# Altium PCB CHAHARDOLI-7 ADAD METAL.PcbDoc (part 6 of 11)
Units mm, origin at the board's own origin, x right, y up, seen from the top; angles counter-clockwise.
Board outline 151 x 86.38 mm, 2 copper layers (Top Layer, Bottom Layer); 1496 components, 81 nets, 3725 pads, 848 vias.
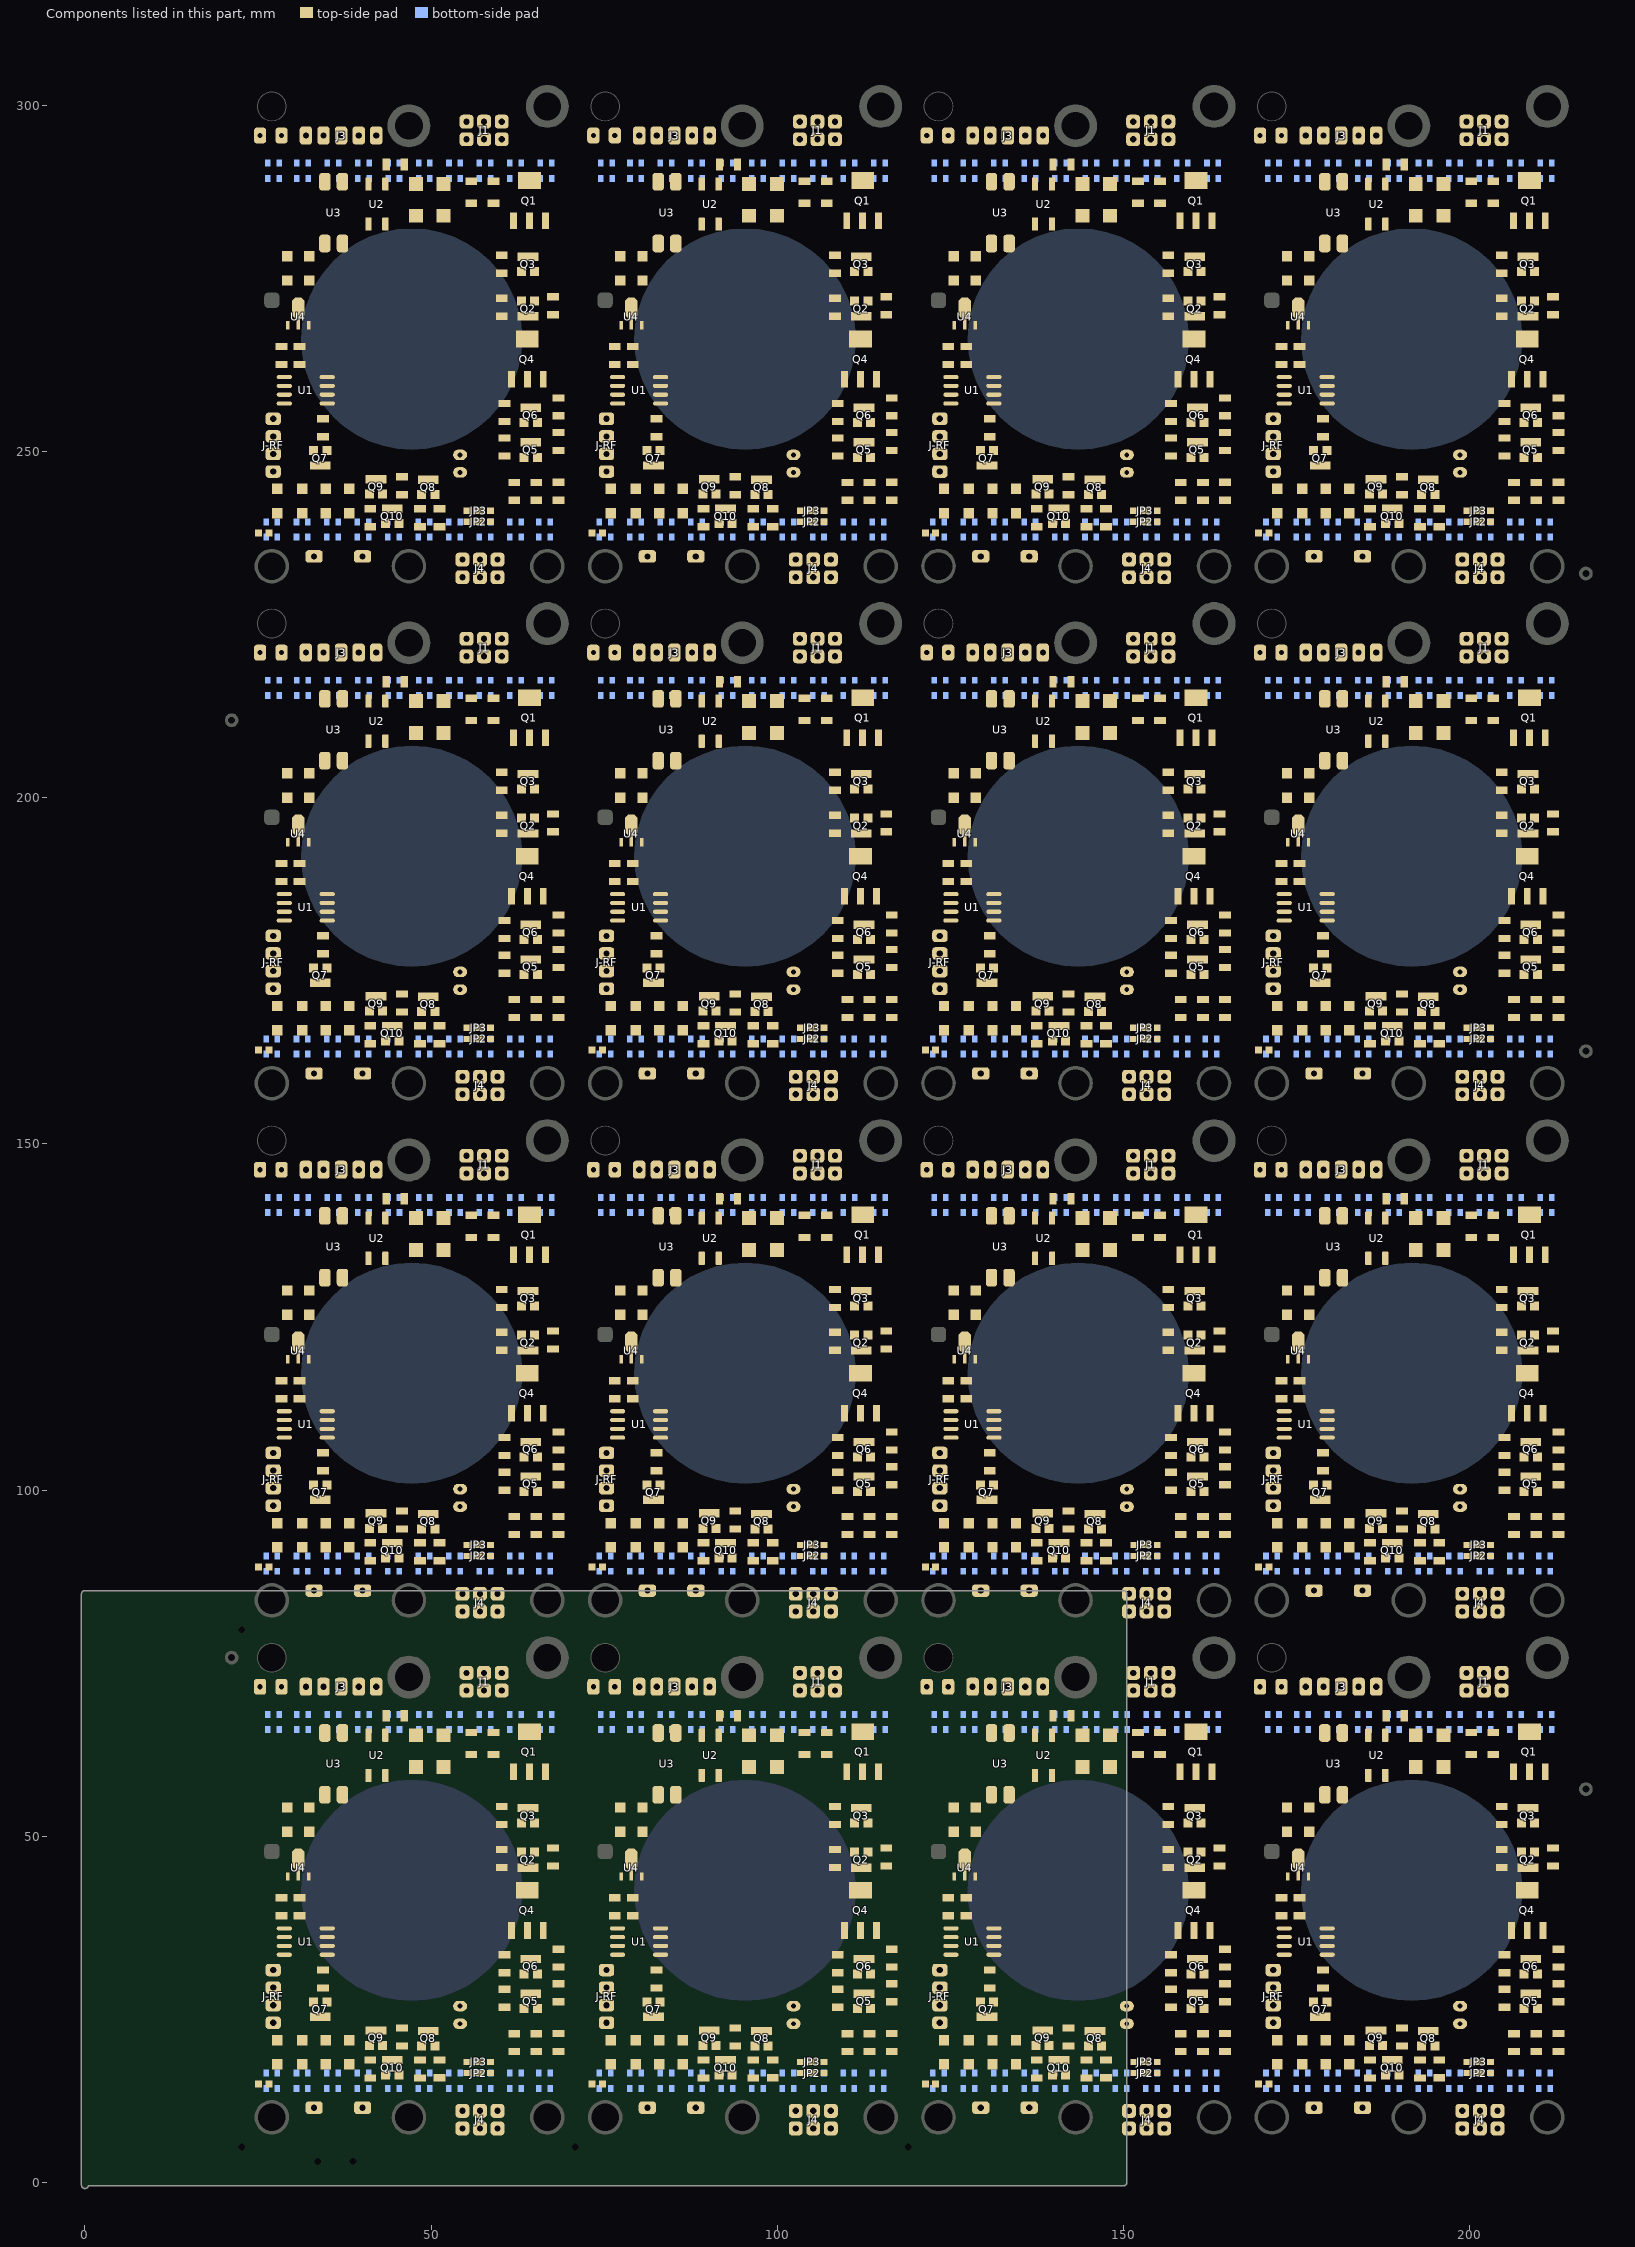
[diagram p6: the components of this part, seen from the top]

## Via types
v1: diameter 1.2, hole 0.6, Top Layer to Bottom Layer, tented both sides, 464 vias
v2: diameter 0.9, hole 0.6, Top Layer to Bottom Layer, tented both sides, 128 vias
v3: diameter 1, hole 0.6, Top Layer to Bottom Layer, tented both sides, 128 vias
v4: diameter 1.27, hole 0.6, Top Layer to Bottom Layer, tented both sides, 112 vias
v5: diameter 1.27, hole 0.711, Top Layer to Bottom Layer, tented both sides, 16 vias

## Nets (pads, with @x,y where several pads share a name; then routed paths per layer and width w, separated by ;. In a path a pad name is that pad's centre, name@x,y a point inside that pad or via, vN(x,y) a via of type N, cw(c..) or ccw(c..) an arc to the next point about the centre after c; other vN are vias at no path point) (continued)
copper on no net: (continued)
  Top Layer w0.5: 23.6,51.2 25.6,53.2 25.6,56.6 25.893,56.893 26.307,56.893 26.6,56.6 26.6,55.4 26.6,52.4 25,50.8 25,42.2 25.293,41.907 25.707,41.907 27,43.2 27,47.8 ; 23.6,125.888 25.6,127.888 25.6,131.288 25.893,131.581 26.307,131.581 26.6,131.288 26.6,130.088 26.6,127.088 25,125.488 25,116.888 25.293,116.595 25.707,116.595 27,117.888 27,122.488 ; 23.6,200.576 25.6,202.576 25.6,205.976 25.893,206.269 26.307,206.269 26.6,205.976 26.6,204.776 26.6,201.776 25,200.176 25,191.576 25.293,191.283 25.707,191.283 27,192.576 27,197.176 ; 23.6,275.264 25.6,277.264 25.6,280.664 25.893,280.957 26.307,280.957 26.6,280.664 26.6,279.464 26.6,276.464 25,274.864 25,266.264 25.293,265.971 25.707,265.971 27,267.264 27,271.864 ; 27,88.688 27.4,88.288 31.2,88.288 32.2,87.288 32.2,86.431 32.223,86.408 32.223,86.123 32.858,85.488 33.1,85.488 ; 27,163.376 27.4,162.976 31.2,162.976 32.2,161.976 32.2,161.119 32.223,161.096 32.223,160.811 32.858,160.176 33.1,160.176 ; 27,238.064 27.4,237.664 31.2,237.664 32.2,236.664 32.2,235.807 32.223,235.784 32.223,235.499 32.858,234.864 33.1,234.864 ; 27.2,102.768 30.08,102.768 30.8,103.488 30.8,111.081 30.507,111.374 28.827,111.374 ; 27.2,177.456 30.08,177.456 30.8,178.176 30.8,185.769 30.507,186.062 28.827,186.062 ; 27.2,252.144 30.08,252.144 30.8,252.864 30.8,260.457 30.507,260.75 28.827,260.75 ; 27.8,95.238 28.3,94.738 28.3,93.988 30.195,92.093 31.045,92.093 31.4,91.738 ; 27.8,169.926 28.3,169.426 28.3,168.676 30.195,166.782 31.045,166.782 31.4,166.426 ; 27.8,244.614 28.3,244.114 28.3,243.364 30.195,241.47 31.045,241.47 31.4,241.114 ; 28.275,91.613 28.2,91.688 26.493,91.688 26.2,91.981 26.2,96.84 27.377,98.017 28.929,98.017 31.7,100.788 ; 28.275,166.301 28.2,166.376 26.493,166.376 26.2,166.669 26.2,171.528 27.377,172.705 28.929,172.705 31.7,175.476 ; 28.275,240.989 28.2,241.064 26.493,241.064 26.2,241.357 26.2,246.216 27.377,247.393 28.928,247.393 31.7,250.164 ; 28.4,91.738 29.85,90.288 34.104,90.288 34.396,90.581 34.396,91.465 34.8,91.869 ; 28.4,166.426 29.85,164.976 34.104,164.976 34.396,165.269 34.396,166.154 34.8,166.557 ; 28.4,241.114 29.85,239.664 34.104,239.664 34.396,239.957 34.396,240.842 34.8,241.245 ; 28.946,112.997 28.725,113.218 28.4,113.218 28.125,112.943 27.055,112.943 26.4,112.288 26.4,109.146 26.693,108.853 29.365,108.853 ; 28.946,187.685 28.725,187.906 28.4,187.906 28.125,187.631 27.055,187.631 26.4,186.976 26.4,183.834 26.693,183.541 29.365,183.541 ; 28.946,262.373 28.725,262.594 28.4,262.594 28.125,262.319 27.055,262.319 26.4,261.664 26.4,258.522 26.693,258.229 29.365,258.229 ; 29,113.051 31,113.051 ; 29,187.739 31,187.739 ; 29,262.427 31,262.427 ; 29.2,128.838 29.7,128.338 29.7,127.988 31.9,125.788 31.9,125.838 32.4,125.338 ; 29.2,203.526 29.7,203.026 29.7,202.676 31.9,200.476 31.9,200.526 32.4,200.026 ; 29.2,278.214 29.7,277.714 29.7,277.364 31.9,275.164 31.9,275.214 32.4,274.714 ; 30.6,121.388 30.6,117.581 30.893,117.288 32.507,117.288 32.8,116.995 32.8,113.218 31.7,113.218 ; 30.6,196.076 30.6,192.269 30.893,191.976 32.507,191.976 32.8,191.683 32.8,187.906 31.7,187.906 ; 30.6,270.764 30.6,266.957 30.893,266.664 32.507,266.664 32.8,266.371 32.8,262.594 31.7,262.594 ; 30.8,121.388 v1(30.8,123.488) ; 30.8,196.076 v1(30.8,198.176) ; 30.8,270.764 v1(30.8,272.864) ; 31,113.218 31.7,113.218 ; 31,187.906 31.7,187.906 ; 31,262.594 31.7,262.594 ; 31.4,95.238 31.9,95.738 31.9,95.938 33.05,97.088 36.307,97.088 36.6,97.381 36.6,99.395 36.893,99.688 46,99.688 47.4,98.288 47.4,94.488 ; 31.4,169.926 31.9,170.426 31.9,170.626 33.05,171.776 36.307,171.776 36.6,172.069 36.6,174.083 36.893,174.376 46,174.376 47.4,172.976 47.4,169.176 ; 31.4,244.614 31.9,245.114 31.9,245.314 33.05,246.464 36.307,246.464 36.6,246.757 36.6,248.771 36.893,249.064 46,249.064 47.4,247.664 47.4,243.864 ; 32.2,135.088 35.8,135.088 37.2,136.488 37.2,139.608 ; 32.2,209.776 35.8,209.776 37.2,211.176 37.2,214.296 ; 32.2,284.464 35.8,284.464 37.2,285.864 37.2,288.984 ; 32.3,118.888 32.3,119.238 32.496,119.435 32.496,124.842 32.4,124.938 ; 32.3,193.576 32.3,193.926 32.496,194.123 32.496,199.53 32.4,199.626 ; 32.3,268.264 32.3,268.614 32.496,268.811 32.496,274.218 32.4,274.314 ; 33.05,100.763 31.7,100.763 31.7,113.218 ; 33.05,175.451 31.7,175.451 31.7,187.906 ; 33.05,250.139 31.7,250.139 31.7,262.594 ; 34,98.488 31.6,98.488 29.6,96.488 29.6,94.088 30.2,93.488 35.8,93.488 36.4,92.888 36.4,89.888 39.4,86.888 39.4,86.123 40.035,85.488 40.1,85.488 ; 34,173.176 31.6,173.176 29.6,171.176 29.6,168.776 30.2,168.176 35.8,168.176 36.4,167.576 36.4,164.576 39.4,161.576 39.4,160.811 40.035,160.176 40.1,160.176 ; 34,247.864 31.6,247.864 29.6,245.864 29.6,243.464 30.2,242.864 35.8,242.864 36.4,242.264 36.4,239.264 39.4,236.264 39.4,235.499 40.035,234.864 40.1,234.864 ; 34.4,102.788 34.675,102.788 34.95,102.513 34.95,100.763 ; 34.4,105.384 34.4,107.537 34.446,107.583 35,107.583 ; 34.4,177.476 34.675,177.476 34.95,177.201 34.95,175.451 ; 34.4,180.072 34.4,182.225 34.446,182.271 35,182.271 ; 34.4,252.164 34.675,252.164 34.95,251.889 34.95,250.139 ; 34.4,254.76 34.4,256.913 34.446,256.959 35,256.959 ; 34.46,146.288 34.6,146.148 34.6,143.981 34.893,143.688 38.8,143.688 40.936,141.553 40.936,139.02 ; 34.46,220.976 34.6,220.836 34.6,218.669 34.893,218.376 38.8,218.376 40.936,216.241 40.936,213.708 ; 34.46,295.664 34.6,295.524 34.6,293.357 34.893,293.064 38.8,293.064 40.936,290.929 40.936,288.396 ; 34.5,94.738 36.281,94.738 37.7,93.319 37.7,92.238 38.2,91.738 ; 34.5,169.426 36.281,169.426 37.7,168.007 37.7,166.926 38.2,166.426 ; 34.5,244.114 36.281,244.114 37.7,242.695 37.7,241.614 38.2,241.114 ; v1(34.6,136.888) 34.6,139.548 34.66,139.608 ; v1(34.6,211.576) 34.6,214.236 34.66,214.296 ; v1(34.6,286.264) 34.6,288.924 34.66,288.984 ; 35,108.853 32.893,108.853 32.6,108.56 32.6,104.581 32.972,104.209 36.08,104.209 36.6,103.688 36.6,101.288 37,100.888 50.58,100.888 52.38,102.688 57.4,102.688 57.822,102.266 57.822,102.055 58.066,101.811 58.066,101.222 v1(58.2,101.088) ; 35,183.541 32.893,183.541 32.6,183.248 32.6,179.269 32.972,178.897 36.08,178.897 36.6,178.376 36.6,175.976 37,175.576 50.58,175.576 52.38,177.376 57.4,177.376 57.822,176.954 57.822,176.743 58.066,176.5 58.066,175.91 v1(58.2,175.776) ; 35,258.229 32.893,258.229 32.6,257.936 32.6,253.957 32.972,253.585 36.08,253.585 36.6,253.064 36.6,250.664 37,250.264 50.58,250.264 52.38,252.064 57.4,252.064 57.822,251.642 57.822,251.432 58.066,251.188 58.066,250.598 v1(58.2,250.464) ; v1(37.2,85.488) 37.2,84.888 38.4,83.688 41.106,83.688 42.2,84.782 42.2,87.688 43.4,88.888 47.307,88.888 47.8,89.381 47.8,89.513 48.075,89.788 48.4,89.788 ; v1(37.2,160.176) 37.2,159.576 38.4,158.376 41.106,158.376 42.2,159.471 42.2,162.376 43.4,163.576 47.307,163.576 47.8,164.069 47.8,164.201 48.075,164.476 48.4,164.476 ; v1(37.2,234.864) 37.2,234.264 38.4,233.064 41.106,233.064 42.2,234.159 42.2,237.064 43.4,238.264 47.307,238.264 47.8,238.757 47.8,238.889 48.075,239.164 48.4,239.164 ; 38.2,95.238 38.587,95.626 v1(38.587,98.076) ; 38.2,169.926 38.587,170.314 v1(38.587,172.764) ; 38.2,244.614 38.587,245.002 v1(38.587,247.452) ; 38.575,95.138 38.9,94.813 40.7,94.813 41.05,94.463 41.05,92.534 41.2,92.384 ; 38.575,169.826 38.9,169.501 40.7,169.501 41.05,169.151 41.05,167.222 41.2,167.072 ; 38.575,244.514 38.9,244.189 40.7,244.189 41.05,243.839 41.05,241.91 41.2,241.76 ; 39.569,145.86 39.869,145.56 39.869,144.62 42.2,142.288 43.552,142.288 ; 39.569,220.548 39.869,220.248 39.869,219.308 42.2,216.976 43.552,216.976 ; 39.568,295.236 39.868,294.936 39.868,293.996 42.2,291.664 43.552,291.664 ; 40.893,89.995 43.232,89.995 43.45,90.213 ; 40.893,164.683 43.232,164.683 43.45,164.901 ; 40.893,239.371 43.232,239.371 43.45,239.589 ; v1(41.4,98.088) 41.298,97.986 41.298,96.988 41.648,96.638 42.05,96.638 ; v1(41.4,172.776) 41.298,172.674 41.298,171.676 41.648,171.326 42.05,171.326 ; v1(41.4,247.464) 41.298,247.362 41.298,246.364 41.648,246.014 42.05,246.014 ; 41.68,145.996 42.315,145.362 42.727,145.362 44.951,143.137 44.951,140.737 45,140.688 45,138.888 46.4,137.488 50,137.488 51.8,139.288 ; 41.68,220.684 42.315,220.05 42.727,220.05 44.951,217.825 44.951,215.425 45,215.376 45,213.576 46.4,212.176 50,212.176 51.8,213.976 ; 41.68,295.373 42.315,294.738 42.727,294.738 44.951,292.513 44.951,290.113 45,290.064 45,288.264 46.4,286.864 50,286.864 51.8,288.664 ; 43.2,94.288 45.938,94.288 ; 43.2,168.976 45.938,168.976 ; 43.2,243.664 45.938,243.664 ; 43.4,139.288 43.605,139.083 43.605,138.483 45.6,136.488 53.707,136.488 54,136.195 54,134.688 55.8,132.888 57.8,132.888 58.8,133.888 58.8,136.488 ; 43.4,213.976 43.605,213.771 43.605,213.171 45.6,211.176 53.707,211.176 54,210.883 54,209.376 55.8,207.576 57.8,207.576 58.8,208.576 58.8,211.176 ; 43.4,288.664 43.605,288.459 43.605,287.859 45.6,285.864 53.707,285.864 54,285.571 54,284.064 55.8,282.264 57.8,282.264 58.8,283.264 58.8,285.864 ; 44.049,92.288 43.8,92.288 43.825,92.313 44.272,92.313 44.343,92.384 48.4,92.384 ; 44.049,166.976 43.8,166.976 43.825,167.001 44.272,167.001 44.343,167.072 48.4,167.072 ; 44.049,241.664 43.8,241.664 43.825,241.689 44.272,241.689 44.343,241.76 48.4,241.76 ; v1(44.2,98.088) 44.21,98.088 45.04,97.259 45.2,97.259 45.305,97.154 45.305,96.993 ; v1(44.2,172.776) 44.21,172.776 45.04,171.947 45.2,171.947 45.305,171.842 45.305,171.681 ; v1(44.2,247.464) 44.21,247.464 45.04,246.635 45.2,246.635 45.305,246.53 45.305,246.369 ; 45.2,90.488 45.35,90.338 45.35,90.213 ; 45.2,165.176 45.35,165.026 45.35,164.901 ; 45.2,239.864 45.35,239.714 45.35,239.589 ; 45.5,90.063 46.175,90.063 47.2,91.088 49.4,91.088 50.42,90.068 50.925,90.068 51.2,89.793 52.105,89.793 52.8,90.488 52.8,96.288 52.2,96.888 52.2,99.088 53.074,99.962 53.604,99.962 53.8,100.158 ; 45.5,164.751 46.175,164.751 47.2,165.776 49.4,165.776 50.42,164.756 50.925,164.756 51.2,164.481 52.105,164.481 52.8,165.176 52.8,170.976 52.2,171.576 52.2,173.776 53.074,174.65 53.604,174.65 53.8,174.846 ; 45.5,239.439 46.175,239.439 47.2,240.464 49.4,240.464 50.42,239.444 50.925,239.444 51.2,239.169 52.105,239.169 52.8,239.864 52.8,245.664 52.2,246.264 52.2,248.464 53.074,249.338 53.604,249.338 53.8,249.534 ; 46.126,67.174 46.401,67.449 46.401,68.151 46.543,68.293 46.543,70.343 46.6,70.4 46.6,73 ; 46.126,141.862 46.401,142.137 46.401,142.839 46.543,142.981 46.543,145.031 46.6,145.088 46.6,147.688 ; 46.126,216.55 46.401,216.825 46.401,217.528 46.543,217.669 46.543,219.719 46.6,219.776 46.6,222.376 ; 46.126,291.239 46.401,291.514 46.401,292.216 46.543,292.357 46.543,294.407 46.6,294.464 46.6,297.064 ; 47.4,92.688 47.4,94.488 ; 47.4,167.376 47.4,169.176 ; 47.4,242.064 47.4,243.864 ; 48.65,94.413 48.575,94.488 47.4,94.488 ; 48.65,169.101 48.575,169.176 47.4,169.176 ; 48.65,243.789 48.575,243.864 47.4,243.864 ; 49.4,96.488 49.732,96.82 49.732,98.62 52.8,101.688 55.6,101.688 56.2,101.088 56.2,99.488 57,98.688 59,98.688 60.05,97.638 60.05,93.938 58.85,92.738 58.85,92.138 58.8,92.088 58.8,90.888 ; 49.4,171.176 49.732,171.508 49.732,173.308 52.8,176.376 55.6,176.376 56.2,175.776 56.2,174.176 57,173.376 59,173.376 60.05,172.326 60.05,168.626 58.85,167.426 58.85,166.826 58.8,166.776 58.8,165.576 ; 49.4,245.864 49.732,246.196 49.732,247.996 52.8,251.064 55.6,251.064 56.2,250.464 56.2,248.864 57,248.064 59,248.064 60.05,247.014 60.05,243.314 58.85,242.114 58.85,241.514 58.8,241.464 58.8,240.264 ; 50.55,94.413 50.8,94.163 50.8,92.664 51.075,92.389 51.2,92.389 ; 50.55,169.101 50.8,168.851 50.8,167.352 51.075,167.077 51.2,167.077 ; 50.55,243.789 50.8,243.539 50.8,242.04 51.075,241.765 51.2,241.765 ; 51.8,134.688 52.05,134.438 52.05,133.938 52.55,133.938 54.6,131.888 v1(60.2,131.888) ; 51.8,209.376 52.05,209.126 52.05,208.626 52.55,208.626 54.6,206.576 v1(60.2,206.576) ; 51.8,284.064 52.05,283.814 52.05,283.314 52.55,283.314 54.6,281.264 v1(60.2,281.264) ; v1@54.11,75.904 54.467,76.262 54.467,76.267 55.4,77.2 64.6,77.2 ; v1@54.11,150.592 54.467,150.95 54.467,150.956 55.4,151.888 64.6,151.888 ; v1@54.11,225.28 54.467,225.638 54.467,225.644 55.4,226.576 64.6,226.576 ; v1@54.11,299.969 54.467,300.326 54.467,300.332 55.4,301.264 64.6,301.264 ; 54.52,85.028 55.114,85.622 55.114,86.202 57.8,88.888 59.4,88.888 61.2,90.688 63,90.688 63.5,91.188 63.5,95.188 62.77,95.918 61.866,95.918 61.6,96.184 ; 54.52,159.716 55.114,160.31 55.114,160.89 57.8,163.576 59.4,163.576 61.2,165.376 63,165.376 63.5,165.876 63.5,169.876 62.77,170.606 61.866,170.606 61.6,170.872 ; 54.52,234.404 55.114,234.998 55.114,235.578 57.8,238.264 59.4,238.264 61.2,240.064 63,240.064 63.5,240.564 63.5,244.564 62.77,245.294 61.865,245.294 61.6,245.56 ; 55.4,90.393 55.4,95.488 v1(56.6,96.688) ; 55.4,165.081 55.4,170.176 v1(56.6,171.376) ; 55.4,239.769 55.4,244.864 v1(56.6,246.064) ; 57.06,85.028 57.484,85.452 57.484,86.372 58.4,87.288 59.32,87.288 61.72,89.688 65.6,89.688 66.8,90.888 66.8,94.888 65.8,95.888 65.8,95.909 65.62,96.088 65.071,96.088 ; 57.06,159.716 57.484,160.14 57.484,161.06 58.4,161.976 59.32,161.976 61.72,164.376 65.6,164.376 66.8,165.576 66.8,169.576 65.8,170.576 65.8,170.597 65.62,170.776 65.071,170.776 ; 57.06,234.404 57.484,234.828 57.484,235.748 58.4,236.664 59.32,236.664 61.72,239.064 65.6,239.064 66.8,240.264 66.8,244.264 65.8,245.264 65.8,245.285 65.62,245.464 65.071,245.464 ; 57.1,90.488 56.82,90.488 56.62,90.288 56.62,89.708 54.4,87.488 53.4,87.488 52.6,86.688 52.6,82.781 52.893,82.488 54.52,82.488 57.06,82.488 59.6,82.488 ; 57.1,92.088 57.1,92.188 57.2,92.288 57.2,94.088 58.4,95.288 v1(58.6,95.288) ; 57.1,165.176 56.82,165.176 56.62,164.976 56.62,164.396 54.4,162.176 53.4,162.176 52.6,161.376 52.6,157.469 52.893,157.176 54.52,157.176 57.06,157.176 59.6,157.176 ; 57.1,166.776 57.1,166.876 57.2,166.976 57.2,168.776 58.4,169.976 v1(58.6,169.976) ; 57.1,239.864 56.82,239.864 56.62,239.664 56.62,239.084 54.4,236.864 53.4,236.864 52.6,236.064 52.6,232.157 52.893,231.864 54.52,231.864 57.06,231.864 59.6,231.864 ; 57.1,241.464 57.1,241.564 57.2,241.664 57.2,243.464 58.4,244.664 v1(58.6,244.664) ; 59.6,85.028 59.954,85.382 59.954,86.442 62.2,88.688 66.6,88.688 68.2,90.288 68.2,93.393 68.4,93.593 ; 59.6,159.716 59.954,160.07 59.954,161.13 62.2,163.376 66.6,163.376 68.2,164.976 68.2,168.081 68.4,168.281 ; 59.6,234.404 59.954,234.758 59.954,235.818 62.2,238.064 66.6,238.064 68.2,239.664 68.2,242.769 68.4,242.969 ; 60.155,99.888 62.975,99.888 63.05,99.813 63.45,99.813 ; 60.155,174.576 62.975,174.576 63.05,174.501 63.45,174.501 ; 60.155,249.264 62.975,249.264 63.05,249.189 63.45,249.189 ; 60.2,122.789 60.525,122.789 60.8,123.064 60.8,123.288 62.968,125.456 62.968,126.531 63.05,126.613 ; 60.2,197.477 60.525,197.477 60.8,197.752 60.8,197.976 62.968,200.144 62.968,201.219 63.05,201.301 ; 60.2,272.165 60.525,272.165 60.8,272.44 60.8,272.664 62.968,274.832 62.968,275.907 63.05,275.989 ; 60.23,128.919 60.455,128.919 60.8,129.264 60.8,129.488 62,130.688 62,133.688 ; 60.23,203.607 60.455,203.607 60.8,203.952 60.8,204.176 62,205.376 62,208.376 ; 60.23,278.295 60.455,278.295 60.8,278.64 60.8,278.864 62,280.064 62,283.064 ; 60.4,107.488 61.026,107.488 61.2,107.314 61.2,107.063 63.2,105.063 63.45,104.813 ; 60.4,182.176 61.026,182.176 61.2,182.002 61.2,181.751 63.2,179.751 63.45,179.501 ; 60.4,256.864 61.026,256.864 61.2,256.69 61.2,256.439 63.2,254.439 63.45,254.189 ; 60.588,126.456 60.8,126.668 62.545,128.413 62.75,128.413 62.75,128.813 ; 60.588,201.144 60.8,201.356 62.545,203.101 62.75,203.101 62.75,203.501 ; 60.588,275.832 60.8,276.044 62.545,277.789 62.75,277.789 62.75,278.189 ; 60.617,102.688 60.447,102.859 59.63,102.859 58.8,103.688 58.8,108.888 59.8,109.888 59.8,112.488 61.2,113.888 61.2,119.625 60.907,119.918 60.8,119.918 60.725,119.993 60.725,120.193 65.069,120.193 ; 60.617,177.376 60.447,177.547 59.63,177.547 58.8,178.376 58.8,183.576 59.8,184.576 59.8,187.176 61.2,188.576 61.2,194.313 60.907,194.606 60.8,194.606 60.725,194.681 60.725,194.881 65.069,194.881 ; 60.617,252.064 60.447,252.235 59.63,252.235 58.8,253.064 58.8,258.264 59.8,259.264 59.8,261.864 61.2,263.264 61.2,269.001 60.907,269.294 60.8,269.294 60.725,269.369 60.725,269.569 65.069,269.569 ; 61.03,104.888 61.2,104.718 63.15,102.768 63.15,101.913 63.418,101.645 66.243,101.645 67.093,100.795 68.493,100.795 68.6,100.688 ; 61.03,179.576 61.2,179.406 63.15,177.456 63.15,176.601 63.418,176.333 66.243,176.333 67.093,175.483 68.493,175.483 68.6,175.376 ; 61.03,254.264 61.2,254.094 63.15,252.144 63.15,251.289 63.418,251.021 66.243,251.021 67.093,250.171 68.493,250.171 68.6,250.064 ; 61.8,110.659 61.85,110.609 61.85,109.599 63.429,108.02 63.429,107.313 64.036,106.706 66.418,106.706 67.8,108.088 67.8,108.114 67.828,108.141 67.853,108.141 ; 61.8,185.347 61.85,185.297 61.85,184.287 63.429,182.708 63.429,182.001 64.036,181.394 66.418,181.394 67.8,182.776 67.8,182.802 67.828,182.83 67.853,182.83 ; 61.8,260.035 61.85,259.985 61.85,258.975 63.429,257.396 63.429,256.689 64.036,256.082 66.418,256.082 67.8,257.464 67.8,257.49 67.828,257.518 67.853,257.518 ; v1(62,92.288) 62,93.588 ; v1(62,166.976) 62,168.276 ; v1(62,241.664) 62,242.964 ; 62.6,78.8 24.8,78.8 23.6,77.6 23.6,6.293 23.893,6 69.2,6 70,6.8 70,8.145 70,17.4 ; 62.6,153.488 24.8,153.488 23.6,152.288 23.6,80.981 23.893,80.688 69.2,80.688 70,81.488 70,82.833 70,92.088 ; 62.6,228.176 24.8,228.176 23.6,226.976 23.6,155.669 23.893,155.376 69.2,155.376 70,156.176 70,157.521 70,166.776 ; 62.6,302.864 24.8,302.864 23.6,301.664 23.6,230.357 23.893,230.064 69.2,230.064 70,230.864 70,232.21 70,241.464 ; v1(63.219,98.069) 63.409,98.069 63.789,97.688 66.032,97.688 67.566,96.155 67.733,96.155 ; v1(63.219,172.757) 63.409,172.757 63.789,172.376 66.032,172.376 67.566,170.843 67.733,170.843 ; v1(63.219,247.445) 63.409,247.445 63.789,247.064 66.032,247.064 67.566,245.531 67.733,245.531 ; 64.6,76.952 65.352,76.952 65.4,77 ; 64.6,151.64 65.352,151.64 65.4,151.688 ; 64.6,226.328 65.352,226.328 65.4,226.376 ; 64.6,301.016 65.352,301.016 65.4,301.064 ; 64.65,126.513 64.825,126.513 65.075,126.763 65.1,126.763 65.2,126.863 65.2,126.888 67.4,129.088 v1(67.4,130.688) ; 64.65,201.201 64.825,201.201 65.075,201.451 65.1,201.451 65.2,201.551 65.2,201.576 67.4,203.776 v1(67.4,205.376) ; 64.65,275.889 64.825,275.889 65.075,276.139 65.1,276.139 65.2,276.239 65.2,276.264 67.4,278.464 v1(67.4,280.064) ; 64.934,93.453 65,93.388 v1(65,92.288) ; 64.934,168.142 65,168.076 v1(65,166.976) ; 64.934,242.83 65,242.764 v1(65,241.664) ; 65.2,122.663 65.225,122.688 66.974,122.688 67.275,122.989 67.6,122.989 ; 65.2,197.351 65.225,197.376 66.974,197.376 67.275,197.677 67.6,197.677 ; 65.2,272.039 65.225,272.064 66.974,272.064 67.275,272.365 67.6,272.365 ; 65.35,99.813 65.941,99.222 66.277,99.222 66.611,98.888 v1(66.8,98.888) ; 65.35,174.501 65.941,173.91 66.277,173.91 66.611,173.576 v1(66.8,173.576) ; 65.35,249.189 65.941,248.598 66.277,248.598 66.611,248.264 v1(66.8,248.264) ; 65.4,104.888 65.6,104.688 65.6,104.531 66.2,103.931 v1(66.2,103.888) ; 65.4,179.576 65.6,179.376 65.6,179.219 66.2,178.619 v1(66.2,178.576) ; 65.4,254.264 65.6,254.064 65.6,253.907 66.2,253.307 v1(66.2,253.264) ; v1(65.6,108.888) 66.143,109.431 66.143,111.031 66.2,111.088 ; v1(65.6,183.576) 66.143,184.119 66.143,185.719 66.2,185.776 ; v1(65.6,258.264) 66.143,258.807 66.143,260.407 66.2,260.464 ; 68.162,102.589 68.2,102.627 ; 68.162,177.277 68.2,177.315 ; 68.162,251.965 68.2,252.003 ; 68.4,102.89 68.4,103.389 68.4,105.793 68.4,106.014 ; 68.4,177.578 68.4,178.077 68.4,180.481 68.4,180.702 ; 68.4,252.266 68.4,252.765 68.4,255.169 68.4,255.39 ; 68.994,103.294 68.994,103.12 69,103.114 69.174,103.114 70,102.288 70,99.488 v1(69,98.488) ; 68.994,177.982 68.994,177.808 69,177.802 69.174,177.802 70,176.976 70,174.176 v1(69,173.176) ; 68.994,252.67 68.994,252.496 69,252.49 69.174,252.49 70,251.664 70,248.864 v1(69,247.864) ; 71.745,51.2 73.745,53.2 73.745,56.6 74.038,56.893 74.452,56.893 74.745,56.6 74.745,55.4 74.745,52.4 73.145,50.8 73.145,42.2 73.438,41.907 73.852,41.907 75.145,43.2 75.145,47.8 ; 71.745,125.888 73.745,127.888 73.745,131.288 74.038,131.581 74.452,131.581 74.745,131.288 74.745,130.088 74.745,127.088 73.145,125.488 73.145,116.888 73.438,116.595 73.852,116.595 75.145,117.888